# KiCad board main.kicad_pcb (continued)
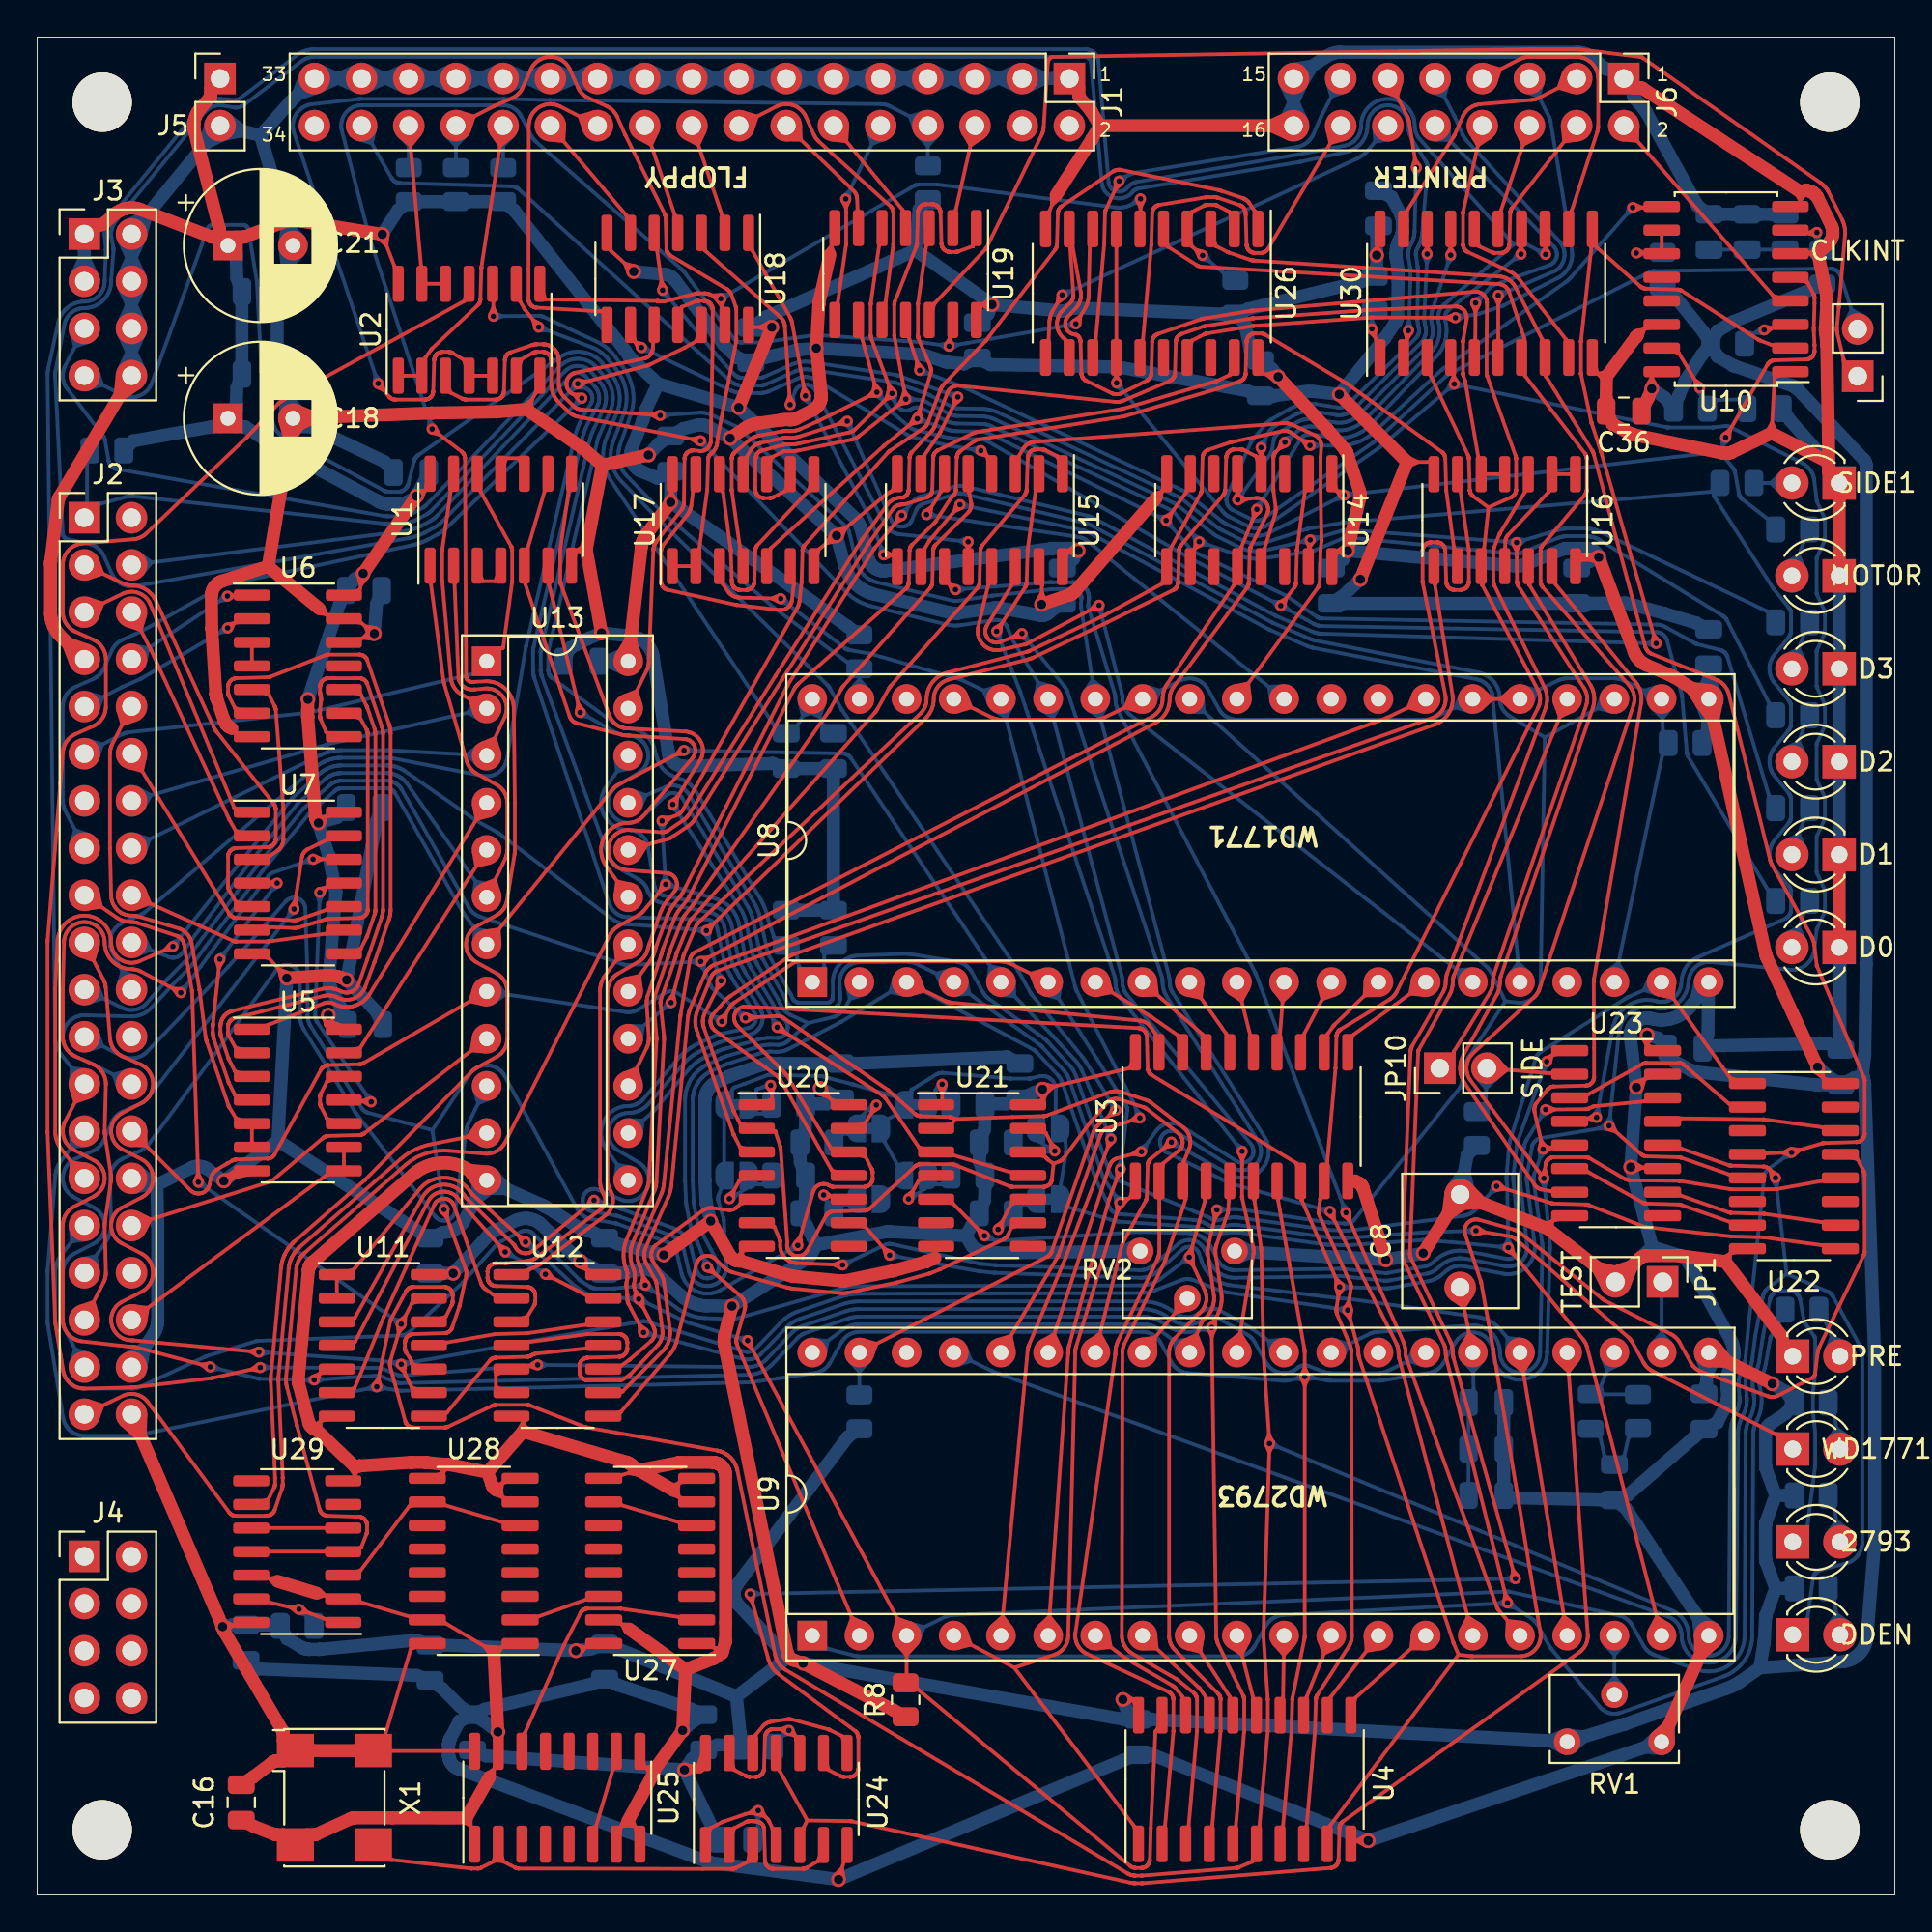
[diagram p0: board, top side]
## Routing (per net, layer and track width the routed paths; a pad name or vN(x,y) marks a point on that pad's centre or on a via; arc(x,y) is an arc through that point) (continued)
  Bottom w0.2: 79.57,72.99 79.16,72.83 79.54,72.62 ; R30.1 93.12,69.09 93.12,69.1 84.17,73.36 84.12,73.38 84.08,73.4 84.03,73.42 83.99,73.44 83.95,73.45 83.9,73.47 83.86,73.48 83.81,73.49 83.76,73.5 83.72,73.51 83.67,73.52 83.63,73.53 83.58,73.54 83.54,73.54 83.49,73.55 83.46,73.55 83.43,73.55 83.4,73.55 83.37,73.55 83.34,73.55 82.39,73.55 82.37,73.55 82.34,73.55 82.31,73.55 82.28,73.55 82.22,73.54 82.2,73.54 82.16,73.54 82.11,73.53 82.07,73.52 82.02,73.51 81.98,73.5 81.93,73.49 81.87,73.48 81.84,73.47 v2(79.64,72.8) 70.62,73.47 70.57,73.47 70.53,73.47 70.49,73.47 70.44,73.47 70.4,73.46 70.35,73.46 70.31,73.45 70.27,73.44 70.22,73.43 v2(68.53,72.94) 66.16,72.39 66.06,72.37 65.95,72.35 65.84,72.34 65.73,72.33 65.62,72.33 65.51,72.34 65.4,72.35 65.29,72.36 65.18,72.38 65.07,72.41 64.96,72.44 64.86,72.48 64.76,72.52 64.66,72.57 63.63,73.07 63.57,73.11 63.51,73.14 63.45,73.17 63.39,73.21 63.33,73.25 63.28,73.29 63.22,73.33 61.41,74.78 61.38,74.8 61.36,74.82 61.33,74.84 61.3,74.86 61.27,74.88 61.24,74.89 61.21,74.91 51.58,79.41 51.51,79.45 51.43,79.47 51.36,79.5 51.29,79.52 51.21,79.54 51.14,79.56 51.06,79.57 50.98,79.58 50.91,79.58 50.83,79.59 49.54,79.61 49.5,79.61 49.45,79.62 49.4,79.62 49.36,79.63 49.31,79.64 49.27,79.65 49.22,79.67 49.18,79.68 49.14,79.7 49.09,79.72 47.84,80.37 47.81,80.39 47.77,80.4 47.73,80.42 47.69,80.43 47.64,80.45 47.6,80.46 47.56,80.46 47.52,80.47 47.47,80.48 47.43,80.48 v2(46.76,80.52) ; 68.66,72.79 68.99,73.07 68.56,73.14 ; 68.49,72.74 68.06,72.83 68.4,73.1 ; 46.85,80.69 47.24,80.49 46.83,80.33 ; 79.66,73 80.09,72.94 79.77,72.65
DFH: length 85.8
  Top w0.2: 78.59,37.95 79.03,38 78.7,38.29 ; 97.06,34.78 96.07,34.97 92.98,35.39 92.93,35.39 92.92,35.39 91.21,35.44 91.19,35.44 91.15,35.45 86.59,35.95 86.56,35.95 86.54,35.96 86.51,35.97 86.49,35.97 83.51,37.14 83.49,37.14 83.45,37.16 83.42,37.16 83.37,37.17 83.36,37.17 81.64,37.21 81.62,37.22 81.59,37.22 81.56,37.22 81.54,37.23 81.51,37.24 v2(78.57,38.14)
  Bottom w0.2: 32.05,59.45 32.77,59.19 32.45,58.49 ; v2(78.57,38.14) 77.46,36.92 77.42,36.88 77.38,36.84 77.33,36.8 77.29,36.76 77.24,36.73 77.19,36.7 77.14,36.67 77.08,36.65 77.03,36.62 76.98,36.6 76.92,36.58 76.86,36.57 76.81,36.56 76.75,36.55 70.58,35.75 70.55,35.75 70.52,35.75 70.49,35.75 70.46,35.75 70.43,35.75 70.4,35.75 70.32,35.75 70.27,35.76 69.54,35.79 69.51,35.8 69.47,35.8 69.46,35.8 64.7,36.45 64.63,36.46 64.55,36.47 64.48,36.47 64.4,36.47 64.33,36.47 64.25,36.46 64.18,36.45 64.1,36.44 64.03,36.42 63.64,36.33 63.61,36.32 63.58,36.32 63.55,36.31 63.52,36.31 63.5,36.31 63.47,36.31 63.44,36.31 63.41,36.32 63.38,36.32 63.36,36.33 63.33,36.34 63.3,36.35 63.27,36.36 63.25,36.37 63.22,36.39 63.2,36.4 63.16,36.42 63.11,36.45 63.06,36.47 63.01,36.49 62.97,36.52 62.92,36.54 58.08,38.5 58.05,38.51 58.02,38.53 57.99,38.54 57.97,38.56 57.94,38.58 57.91,38.6 57.89,38.62 57.87,38.65 57.85,38.67 57.83,38.7 57.81,38.72 57.79,38.75 57.77,38.78 57.76,38.81 57.75,38.84 57.73,38.87 55.95,44 55.92,44.08 55.89,44.15 55.86,44.23 55.82,44.3 55.78,44.37 55.74,44.43 55.69,44.5 55.65,44.56 55.6,44.62 55.54,44.68 54.4,45.93 54.36,45.96 54.33,45.99 54.31,46.01 54.29,46.03 54.27,46.05 54.24,46.07 54.22,46.09 54.19,46.11 51.24,48.23 51.2,48.26 51.16,48.29 51.12,48.33 51.09,48.36 51.05,48.4 51.02,48.43 50.99,48.47 50.96,48.51 50.94,48.55 50.91,48.59 50.31,49.67 50.28,49.72 50.25,49.77 50.21,49.82 50.18,49.87 50.14,49.91 50.09,49.95 50.05,49.99 50,50.02 49.96,50.06 49.91,50.09 49.85,50.12 49.8,50.14 49.75,50.17 49.69,50.19 49.64,50.2 49.58,50.22 49.52,50.23 47.05,50.63 47,50.64 46.95,50.65 46.9,50.65 46.85,50.65 46.8,50.65 46.75,50.65 44.21,50.57 44.13,50.56 44.05,50.55 43.97,50.54 43.89,50.52 43.81,50.5 43.73,50.47 43.66,50.44 43.59,50.4 43.51,50.36 43.45,50.31 43.38,50.26 43.32,50.21 43.26,50.16 43.2,50.1 43.15,50.04 43.1,49.97 43.05,49.9 43.01,49.83 42.97,49.76 42.94,49.68 42.91,49.61 42.88,49.53 42.86,49.45 42.85,49.37 42.84,49.29 42.83,49.21 42.83,49.12 42.83,48.43 42.83,48.33 42.83,48.32 42.83,48.3 42.83,48.28 42.82,48.26 42.82,48.25 42.81,48.23 42.81,48.21 42.8,48.19 42.79,48.18 42.78,48.16 42.77,48.15 42.76,48.13 42.75,48.12 42.73,48.11 42.72,48.1 42.71,48.09 42.69,48.07 42.68,48.07 42.66,48.06 42.64,48.05 42.63,48.04 42.61,48.04 42.59,48.03 42.58,48.03 42.56,48.03 42.54,48.02 42.52,48.02 41.02,48.02 41,48.03 40.97,48.03 40.94,48.03 40.92,48.04 40.89,48.05 40.88,48.06 40.8,48.1 40.78,48.11 40.76,48.13 40.74,48.15 40.72,48.17 40.7,48.19 40.69,48.21 40.68,48.23 40.65,48.31 40.62,48.37 40.59,48.43 40.56,48.49 40.52,48.55 39.38,50.59 39.37,50.61 39.35,50.65 39.34,50.68 39.32,50.74 39.32,50.75 38.94,52.5 38.93,52.53 38.91,52.65 38.87,52.76 38.84,52.88 38.79,53 38.74,53.11 38.69,53.22 38.64,53.33 38.57,53.44 35.09,59.22 35.06,59.27 35.03,59.32 34.99,59.36 34.95,59.41 34.91,59.45 34.86,59.49 34.82,59.52 34.77,59.56 34.72,59.59 34.67,59.61 34.61,59.64 34.56,59.66 34.5,59.68 34.45,59.69 34.39,59.7 34.33,59.71 34.27,59.72 34.22,59.72 34.16,59.72 34.1,59.71 34.04,59.7 33.98,59.69 33.93,59.68 33.87,59.66 33.82,59.64 U13.21 ; 78.65,37.96 78.25,37.79 78.38,38.2
DFL: length 83.5
  Top w0.2: v2(85.89,90.83) 86.46,90.83 86.56,90.83 U10.9 ; 85.97,91.01 86.37,90.83 85.97,90.65 ; 68.35,77.92 68.12,78.29 68.55,78.22 ; 34.32,48.07 34.24,48.5 33.97,48.16 ; v2(34.12,48.03) 34.75,50.39 34.76,50.45 34.78,50.5 34.78,50.52 34.79,50.55 34.8,50.57 34.81,50.6 34.82,50.62 35.46,52.14 35.47,52.17 35.49,52.19 35.5,52.21 35.51,52.23 35.53,52.25 35.54,52.27 35.56,52.29 35.57,52.31 35.59,52.33 35.61,52.35 47.54,63.59 47.58,63.63 47.62,63.67 47.65,63.71 47.69,63.75 47.72,63.8 47.74,63.85 47.77,63.9 47.79,63.95 47.81,64 47.83,64.05 47.85,64.1 47.86,64.16 47.87,64.21 47.88,64.26 47.88,64.32 47.88,64.37 47.88,64.46 47.89,64.54 47.9,64.62 47.92,64.7 47.94,64.79 47.97,64.87 48,64.94 48.03,65.02 48.07,65.09 48.11,65.16 48.16,65.23 48.21,65.3 48.27,65.36 48.33,65.42 48.39,65.48 48.45,65.53 48.52,65.58 48.59,65.62 48.66,65.67 48.74,65.7 48.81,65.74 48.89,65.76 48.97,65.79 53.27,66.91 53.3,66.92 53.33,66.93 53.36,66.94 53.39,66.95 53.42,66.96 53.45,66.98 57.43,68.87 57.46,68.88 60.53,70.56 60.53,70.56 U14.9 61.02,72.49 62.63,75.43 62.64,75.44 62.65,75.48 62.66,75.5 62.67,75.52 62.68,75.55 62.68,75.58 62.68,75.6 62.69,75.64 62.73,77.36 62.74,77.4 62.74,77.43 62.75,77.46 62.76,77.49 62.77,77.52 62.78,77.56 62.8,77.58 62.81,77.6 62.83,77.63 62.85,77.65 62.87,77.68 62.89,77.7 62.91,77.71 62.95,77.74 62.97,77.75 63.01,77.77 ; v2(68.52,78.02) 67.51,78.7 67.48,78.72 67.45,78.73 67.43,78.75 67.4,78.76 67.37,78.77 67.34,78.78 67.31,78.79 67.28,78.79 67.25,78.8 67.22,78.8 67.19,78.81 67.16,78.81 67.13,78.8 67.1,78.8 67.07,78.8 67.04,78.79 64.29,78.2 64.25,78.19 64.22,78.18 64.19,78.18 63.04,77.79 63.01,77.77
  Bottom w0.2: 85.97,90.65 85.57,90.47 85.69,90.89 ; v2(68.52,78.02) 70.07,78.01 70.21,78.01 70.35,78.02 70.49,78.04 70.62,78.06 70.76,78.09 70.89,78.13 71.02,78.17 71.15,78.22 71.28,78.28 71.4,78.34 71.52,78.41 71.64,78.48 71.75,78.56 71.86,78.65 71.96,78.74 75.59,82.08 75.61,82.1 75.63,82.11 75.65,82.13 75.67,82.15 75.69,82.16 82.26,86.8 82.31,86.84 82.36,86.88 82.41,86.91 82.45,86.96 82.5,87 82.54,87.04 82.58,87.09 v2(85.89,90.83) ; 68.6,77.84 69,78.02 68.6,78.2 ; 31.84,46.79 32.61,46.76 32.51,45.99 ; U13.16 v2(34.12,48.03) ; 34.18,47.84 33.76,47.72 33.94,48.12
EFX: length 15.1
  Top w0.2: U5.13 17.4,45.61 17.4,45.61 U13.5 ; 23.51,56.13 23.64,55.37 24.38,55.57
F_A0: length 128.1
  Top w0.2: v2(57.81,40.69) 55.36,34.3 55.35,34.27 53.4,29.62 53.38,29.59 53.37,29.55 53.36,29.51 53.35,29.46 53.34,29.42 53.33,29.38 53.32,29.34 53.32,29.3 U9.5 ; 51.41,14.47 51.98,14.99 52.44,14.38 ; 34.83,61.41 34.39,61.38 34.66,61.73 ; 24.89,51.21 24.85,51.97 24.09,51.86 ; U13.7 30.95,59.49 30.98,59.52 31.01,59.55 31.05,59.59 31.08,59.62 31.11,59.65 31.15,59.67 31.19,59.7 31.22,59.73 31.26,59.75 31.3,59.77 v2(34.82,61.61) ; 57.61,40.68 57.64,40.24 57.95,40.55
  Bottom w0.2: 43.35,61.44 43.37,61.44 43.42,61.43 43.45,61.43 43.46,61.43 43.52,61.41 43.54,61.4 43.56,61.4 43.6,61.37 43.63,61.36 43.64,61.35 43.69,61.32 43.71,61.3 43.72,61.29 43.76,61.25 43.78,61.23 43.79,61.22 43.81,61.18 U8.5 54.68,46.23 ; 51.19,49.24 51.3,50 52.05,49.81 ; v2(57.81,40.69) 56.28,44.29 56.24,44.37 56.2,44.45 56.16,44.53 56.12,44.61 56.07,44.68 56.02,44.75 55.96,44.83 55.9,44.9 55.84,44.96 54.7,46.21 54.68,46.23 ; 52.58,49.15 52.6,48.38 51.84,48.44 ; 4.37,43.4 4.11,44.15 4.87,44.37 ; J2.26 3.07,44.68 3.04,44.7 3.01,44.71 2.07,45.13 2,45.16 1.94,45.2 1.88,45.23 1.83,45.28 1.77,45.32 1.72,45.37 1.67,45.42 1.63,45.48 1.58,45.53 1.55,45.59 1.51,45.65 1.48,45.72 1.45,45.78 1.43,45.85 1.41,45.92 1.4,45.99 1.39,46.06 1.38,46.13 1.38,46.2 1.38,46.27 1.39,46.34 1.4,46.41 1.42,46.48 1.44,46.55 1.46,46.61 1.49,46.68 1.52,46.74 1.56,46.8 1.6,46.86 1.64,46.92 1.68,46.97 1.73,47.02 1.79,47.07 1.84,47.12 1.9,47.16 1.96,47.19 2.02,47.23 2.09,47.26 2.15,47.28 2.22,47.3 2.29,47.32 2.36,47.34 2.43,47.34 2.5,47.35 2.57,47.35 5.04,47.29 5.12,47.29 5.2,47.29 5.27,47.3 5.35,47.31 5.42,47.33 5.5,47.35 5.57,47.37 5.64,47.4 5.71,47.43 5.78,47.47 5.84,47.5 5.91,47.55 5.97,47.59 6.03,47.64 6.08,47.69 6.14,47.75 7.28,48.98 7.3,48.99 8.33,50.05 8.36,50.08 8.38,50.11 8.41,50.13 8.43,50.16 8.45,50.19 8.47,50.22 9,50.96 9.02,50.98 12.11,55.08 12.13,55.11 14.59,58.15 ; 57.61,40.7 57.62,41.13 57.94,40.84 ; 14.59,58.15 14.61,58.16 14.63,58.19 14.64,58.2 14.67,58.23 16.02,59.43 16.05,59.45 16.1,59.48 16.12,59.5 16.13,59.51 16.18,59.53 16.21,59.54 16.23,59.54 16.28,59.56 16.3,59.56 16.32,59.56 16.38,59.57 16.39,59.57 18.79,59.57 18.82,59.57 18.87,59.56 18.9,59.56 18.92,59.55 18.97,59.54 18.99,59.53 19.01,59.52 19.06,59.5 19.08,59.49 19.09,59.48 19.14,59.45 19.16,59.43 19.17,59.42 19.21,59.38 19.23,59.36 19.24,59.35 19.27,59.3 19.28,59.29 22.87,52.96 22.89,52.92 22.91,52.89 22.93,52.86 22.96,52.83 22.98,52.8 U13.7 ; 43.35,61.44 v2(34.82,61.61) ; 24.33,51.85 23.57,52 23.5,51.23 ; 34.91,61.79 35.3,61.6 34.9,61.42
F_A1: length 107.5
  Top w0.2: 54.22,49.81 53.49,49.59 53.77,48.87 ; U8.6 52.37,50.13 52.32,50.15 52.28,50.17 52.23,50.19 52.18,50.2 52.13,50.22 52.08,50.23 52.03,50.23 51.98,50.24 51.93,50.24 51.88,50.24 40.92,50.24 40.91,50.24 40.89,50.24 40.88,50.24 40.86,50.24 40.85,50.23 40.83,50.23 40.82,50.23 40.8,50.22 40.79,50.21 40.78,50.21 40.76,50.2 40.75,50.19 37.56,48.05 37.52,48.03 37.49,48 37.45,47.97 37.42,47.94 37.39,47.91 37.36,47.88 37.33,47.85 37.31,47.81 37.28,47.77 37.26,47.74 37.23,47.7 v2(36.86,47.01) ; 58.45,38.92 58.14,38.62 58.11,39.05 ; 53.94,14.46 54.5,14.99 54.97,14.39 ; 12.76,39.82 12.74,39.8 12.72,39.78 12.7,39.75 12.68,39.74 12.66,39.72 12.63,39.7 12.61,39.69 12.59,39.68 12.56,39.67 12.54,39.66 12.52,39.65 12.48,39.64 12.46,39.64 12.44,39.64 12.4,39.63 10.73,39.58 10.68,39.58 10.66,39.58 10.63,39.57 10.6,39.56 10.57,39.55 10.52,39.53 10.51,39.53 10.27,39.39 10.24,39.38 9.68,39.04 9.65,39.02 9.62,39 9.59,38.98 9.57,38.95 9.54,38.93 9.52,38.9 9.49,38.88 9.47,38.85 9.45,38.82 9.43,38.79 9.42,38.76 9.4,38.73 9.39,38.69 9.38,38.66 9.36,38.63 9.36,38.59 9.27,38.23 9.26,38.19 9.25,38.15 9.24,38.12 9.22,38.09 9.2,38.05 9.18,38.02 9.16,37.99 9.14,37.96 9.11,37.94 9.09,37.91 9.06,37.89 9.03,37.86 9,37.84 8.97,37.82 8.93,37.81 8.9,37.79 8.86,37.78 8.83,37.77 8.79,37.76 8.76,37.76 8.72,37.75 8.68,37.75 8.64,37.75 8.61,37.76 8.57,37.76 8.53,37.77 8.5,37.78 8.46,37.79 8.43,37.81 8.39,37.82 8.36,37.84 8.33,37.86 8.3,37.88 8.27,37.91 8.25,37.93 J2.28 ; 36.74,47.17 37.09,47.43 37.06,47 ; 24.05,47.94 23.3,48.1 23.53,48.84 ; 5.83,41.13 5.85,40.34 5.06,40.36 ; v2(58.31,39.07) 57.72,37.47 57.7,37.44 57.7,37.42 55.55,29.58 55.54,29.53 55.53,29.49 55.52,29.44 55.51,29.39 55.51,29.34 55.51,29.29 55.5,29.24 55.5,29.16 55.5,29.13 55.5,29.12 U9.6 ; U13.8 17.57,44.78 17.54,44.76 17.51,44.75 17.49,44.74 17.47,44.73 17.43,44.72 17.41,44.72 17.39,44.72 17.35,44.71 15.68,44.66 15.63,44.66 15.61,44.66 15.58,44.65 15.55,44.64 15.52,44.63 15.48,44.61 15.46,44.6 15.43,44.59 15.4,44.57 15.38,44.55 15.36,44.53 15.34,44.51 15.32,44.49 15.3,44.45 15.28,44.43 12.79,39.87 12.77,39.85 12.76,39.82
  Bottom w0.2: 55.11,49.01 54.98,48.26 54.24,48.46 ; v2(58.31,39.07) 58.67,42.17 58.68,42.2 58.68,42.23 58.68,42.26 58.68,42.29 58.67,42.32 58.67,42.35 58.66,42.38 58.66,42.41 58.65,42.44 58.64,42.47 58.63,42.49 58.61,42.52 58.6,42.55 58.58,42.57 U8.6 ; 24.59,48.05 25.22,48.47 24.74,49.07 ; 36.69,46.91 36.45,47.27 36.88,47.21 ; 58.5,39.13 58.37,39.54 58.14,39.17 ; U13.8 31.65,47.53 31.71,47.52 31.76,47.52 31.82,47.52 31.88,47.52 31.93,47.52 31.99,47.53 32.04,47.54 32.1,47.55 32.15,47.57 32.2,47.58 32.25,47.61 32.3,47.63 32.35,47.65 32.4,47.68 33.8,48.55 33.83,48.57 33.86,48.58 33.89,48.6 33.92,48.61 33.96,48.62 33.99,48.63 34.02,48.63 34.06,48.64 34.09,48.64 34.13,48.64 34.16,48.64 34.19,48.64 34.23,48.63 34.26,48.63 34.29,48.62 34.33,48.61 34.36,48.59 34.39,48.58 34.42,48.56 34.45,48.55 v2(36.86,47.01)
F_A2: length 43.5
  Top w0.2: U13.11 21.2,40.41 21.03,40.37 20.87,40.32 20.71,40.27 20.55,40.21 20.4,40.14 20.25,40.07 20.1,39.99 19.96,39.9 19.82,39.81 19.68,39.7 19.55,39.6 14.14,34.88 14.12,34.86 14.1,34.85 14.08,34.83 14.03,34.78 14,34.75 13.97,34.71 13.94,34.68 13.92,34.65 13.89,34.61 13.85,34.55 13.81,34.5 13.79,34.47 13.77,34.43 13.74,34.39 13.72,34.35 13.69,34.28 13.69,34.27 13.67,34.23 13.65,34.19 13.63,34.14 13.62,34.1 13.6,34.05 13.59,34.01 13.58,33.98 13.57,33.94 13.56,33.89 13.56,33.85 13.55,33.8 13.54,33.76 13.54,33.71 12.99,27.9 12.99,27.85 12.99,27.81 12.98,27.76 12.98,27.72 12.98,27.67 12.99,27.63 13.22,22.47 13.22,22.44 13.22,22.14 13.22,22.1 13.22,22.07 13.21,22.03 13.21,22.01 13.21,21.98 13.2,21.96 13.2,21.94 13.18,21.89 13.17,21.85 12.78,20.71 12.77,20.68 12.76,20.65 12.74,20.63 12.73,20.61 12.72,20.59 ; 3.24,25.6 3.52,26.34 2.77,26.58 ; 12.72,20.59 12.7,20.57 12.68,20.55 12.66,20.53 12.64,20.51 12.62,20.5 12.6,20.48 12.57,20.46 12.56,20.45 12.52,20.44 12.5,20.43 12.48,20.42 12.45,20.42 12.42,20.41 12.4,20.41 12.36,20.41 12.35,20.41 10.7,20.41 10.67,20.41 10.64,20.41 10.61,20.41 10.59,20.42 10.56,20.43 10.53,20.44 10.52,20.44 10.49,20.46 10.46,20.47 10.45,20.48 10.42,20.5 10.4,20.52 10.38,20.53 10.35,20.56 10.34,20.59 5.96,26.52 5.92,26.57 5.88,26.62 5.84,26.66 5.79,26.7 5.74,26.74 5.69,26.78 5.64,26.81 5.58,26.85 5.52,26.87 5.47,26.9 5.41,26.92 5.35,26.93 5.28,26.95 5.22,26.96 5.16,26.96 5.1,26.97 5.03,26.97 4.97,26.96 4.91,26.95 4.84,26.94 4.78,26.93 4.72,26.91 4.66,26.88 4.61,26.86 J2.39 ; 23.84,40.41 23.18,40.8 23.63,41.42
F_A3: length 48.5
  Bottom w0.2: 3.28,33.61 3.16,34.39 2.39,34.22 ; U13.10 23.2,41.49 23.18,41.45 23.16,41.41 23.15,41.37 23.13,41.33 23.12,41.29 23.11,41.24 23.1,41.2 23.1,41.16 22.5,36.82 22.5,36.79 22.49,36.75 22.48,36.71 22.47,36.68 22.45,36.65 22.43,36.61 22.42,36.58 22.4,36.55 22.37,36.52 22.35,36.49 22.32,36.47 22.3,36.44 22.27,36.42 22.24,36.4 22.21,36.38 22.17,36.36 22.14,36.34 22.11,36.33 22.07,36.32 22.04,36.31 22,36.3 21.96,36.3 21.93,36.29 21.89,36.29 21.85,36.3 21.82,36.3 21.78,36.31 21.75,36.31 21.71,36.32 21.68,36.34 21.64,36.35 21.61,36.37 21.58,36.39 21.55,36.41 21.52,36.43 21.49,36.45 21.46,36.48 21.44,36.5 21.41,36.53 17.17,42.06 17.15,42.1 17.13,42.13 17.12,42.15 14.38,46.54 14.34,46.61 14.31,46.67 14.28,46.73 14.25,46.8 14.23,46.87 14.2,46.93 14.19,47 14.17,47.07 14.16,47.14 14.15,47.21 14.15,47.28 14.15,47.36 14.15,49.35 14.15,49.39 14.14,49.43 14.14,49.48 14.13,49.52 14.12,49.56 14.1,49.6 14.08,49.64 14.07,49.68 14.04,49.72 14.02,49.76 13.99,49.79 13.97,49.82 13.94,49.86 13.9,49.89 13.87,49.91 13.84,49.94 13.8,49.96 13.76,49.98 13.72,50 13.68,50.02 13.64,50.03 13.6,50.04 13.55,50.05 13.51,50.06 13.47,50.06 13.42,50.06 13.38,50.06 13.34,50.05 13.3,50.04 13.25,50.03 13.21,50.02 13.17,50.01 13.13,49.99 13.09,49.97 13.05,49.95 13.02,49.92 12.98,49.9 12.95,49.87 12.92,49.84 12.89,49.8 12.87,49.77 ; J2.33 3.73,35.21 3.77,35.27 3.8,35.33 3.83,35.39 3.86,35.45 3.89,35.52 3.91,35.58 3.93,35.65 3.95,35.72 3.96,35.79 3.97,35.86 3.98,35.93 3.98,36 3.98,36.07 3.92,38.54 3.92,38.61 3.92,38.67 3.93,38.74 3.94,38.8 3.96,38.86 3.98,38.93 4,38.99 4.02,39.05 4.05,39.1 4.08,39.16 4.12,39.22 4.15,39.27 4.2,39.32 4.24,39.37 4.28,39.41 4.33,39.46 4.38,39.5 4.44,39.54 4.49,39.57 4.55,39.6 4.61,39.63 5.55,40.05 5.6,40.07 5.65,40.1 5.7,40.13 5.74,40.16 5.79,40.19 5.83,40.22 5.87,40.26 5.91,40.3 5.95,40.34 5.98,40.38 6.02,40.42 12.87,49.77 ; 24.46,42.9 23.74,42.61 23.52,43.35
F_A4: length 25.2
  Top w0.2: 23.51,46.21 23.37,45.45 24.14,45.39 ; J2.32 12.53,38.39 12.55,38.39 12.6,38.42 12.62,38.43 12.64,38.44 12.67,38.46 12.68,38.47 15.39,40.75 15.41,40.76 15.44,40.78 15.46,40.8 15.5,40.82 ; 15.5,40.82 15.53,40.83 15.55,40.84 15.59,40.84 15.61,40.85 15.67,40.85 15.68,40.85 17.35,40.9 17.36,40.9 17.4,40.91 17.42,40.91 17.44,40.92 17.48,40.93 17.5,40.93 17.52,40.94 17.55,40.96 17.57,40.97 17.59,40.98 17.62,41 U13.9 ; 5.74,35.67 6.12,36.36 5.41,36.7
F_A5: length 16.9
  Top w0.2: 5.82,30.82 5.95,31.6 5.17,31.69 ; U5.9 U5.8 15.56,38.74 J2.36
F_A6: length 40.9
  Top w0.2: U7.13 15.56,56.77 15.56,56.77 14.59,56.3 14.56,56.28 14.53,56.27 14.5,56.25 14.48,56.23 14.45,56.21 14.43,56.18 14.4,56.16 14.38,56.14 14.36,56.11 14.34,56.08 14.33,56.06 14.31,56.03 14.3,56 14.28,55.97 14.27,55.94 14.26,55.9 14.26,55.87 14.25,55.84 v2(13.83,53.06) ; 13.66,53.17 13.9,53.54 14.02,53.12
  Bottom w0.2: J2.37 1.51,30.42 1.49,30.47 1.47,30.51 1.45,30.56 1.43,30.61 1.42,30.65 1.41,30.7 1.4,30.75 1.39,30.8 1.38,30.85 1.38,30.9 1.38,30.95 1.38,33.49 1.38,33.55 1.39,33.62 1.4,33.68 1.41,33.74 1.42,33.8 1.44,33.86 1.46,33.92 1.49,33.98 1.52,34.04 1.55,34.09 1.58,34.15 1.62,34.2 1.66,34.25 1.7,34.29 1.75,34.34 1.8,34.38 1.85,34.42 1.9,34.46 1.95,34.49 2.01,34.52 3.04,35.06 3.1,35.09 3.16,35.12 3.21,35.16 3.26,35.21 3.31,35.25 3.36,35.3 3.4,35.35 3.44,35.4 3.48,35.46 3.51,35.52 3.54,35.58 3.56,35.64 3.59,35.7 3.6,35.77 3.62,35.83 3.63,35.9 3.63,35.96 3.64,36.03 3.63,36.1 3.63,36.16 3.62,36.23 3.6,36.29 3.59,36.36 3.56,36.42 3.54,36.48 3.51,36.54 3.48,36.6 3.44,36.66 3.4,36.71 3.36,36.76 3.31,36.81 3.26,36.85 3.21,36.9 3.16,36.94 3.1,36.97 3.04,37 2.01,37.54 1.95,37.57 1.89,37.61 1.83,37.65 1.78,37.7 1.72,37.75 1.68,37.8 1.63,37.85 1.59,37.91 1.55,37.97 1.51,38.03 1.48,38.09 1.46,38.16 1.43,38.22 1.41,38.29 1.4,38.36 1.39,38.43 1.38,38.5 1.38,38.57 1.38,38.64 1.39,38.71 1.4,38.78 1.41,38.85 1.43,38.91 1.46,38.98 1.48,39.05 1.51,39.11 1.55,39.17 1.59,39.23 1.63,39.29 1.67,39.34 1.72,39.39 1.77,39.44 1.83,39.49 1.88,39.53 1.94,39.56 2,39.6 2.07,39.63 3.01,40.05 3.07,40.08 3.12,40.11 3.17,40.14 3.22,40.17 3.27,40.21 3.32,40.25 3.36,40.29 3.4,40.33 3.44,40.38 3.48,40.43 3.51,40.48 3.54,40.53 3.57,40.58 3.6,40.64 4.02,41.58 4.05,41.64 4.08,41.69 4.11,41.74 4.14,41.79 4.18,41.84 4.22,41.89 4.26,41.93 4.3,41.97 4.35,42.01 4.4,42.05 4.45,42.08 4.5,42.11 4.55,42.14 4.61,42.17 5.55,42.59 5.6,42.61 5.65,42.64 5.69,42.66 5.73,42.69 5.78,42.72 5.82,42.75 5.86,42.79 5.89,42.82 5.93,42.86 5.96,42.9 6,42.94 v2(13.83,53.06) ; 13.92,52.89 13.53,52.68 13.63,53.11 ; 1.82,28.62 2.04,29.38 2.79,29.12
F_A7: length 47.6
  Top w0.2: 14.94,55.57 15.33,55.75 14.94,55.93 ; U7.12 15.64,55.75 v2(14.85,55.75) ; v2(7.73,48.56) 5.59,49.7 5.55,49.72 5.51,49.74 5.46,49.76 5.41,49.77 5.37,49.79 5.32,49.8 5.27,49.81 5.23,49.82 5.18,49.82 5.13,49.83 5.08,49.83 5,49.83 4.91,49.84 4.83,49.85 4.75,49.87 4.67,49.89 4.59,49.91 4.51,49.94 4.43,49.98 4.36,50.02 4.29,50.06 4.22,50.11 4.15,50.16 4.09,50.22 4.03,50.28 3.97,50.34 3.92,50.41 3.87,50.48 3.83,50.55 3.79,50.62 3.75,50.7 3.72,50.78 3.7,50.86 3.68,50.94 3.66,51.02 3.65,51.1 3.64,51.19 3.64,51.27 3.63,51.34 3.63,51.41 3.62,51.47 3.6,51.54 3.58,51.61 3.56,51.67 3.53,51.73 3.5,51.79 3.47,51.85 3.43,51.91 3.39,51.96 3.34,52.02 3.3,52.06 3.24,52.11 3.19,52.15 3.14,52.19 3.08,52.23 3.02,52.26 2.95,52.29 2.89,52.31 2.82,52.33 2.76,52.34 2.69,52.36 2.62,52.36 2.55,52.37 2.49,52.37 2.42,52.36 2.35,52.35 2.28,52.34 2.22,52.32 2.15,52.3 2.09,52.27 2.03,52.24 1.97,52.21 1.91,52.17 1.86,52.13 1.8,52.08 1.75,52.04 1.71,51.99 1.67,51.93 1.63,51.88 1.59,51.82 1.56,51.76 1.53,51.7 1.5,51.63 1.48,51.57 1.47,51.5 1.46,51.43 1.45,51.37 1.44,51.3 1.38,48.76 1.38,48.73 1.38,46.19 1.38,46.13 1.39,46.06 1.4,46 1.41,45.94 1.42,45.88 1.44,45.82 1.46,45.76 1.49,45.7 1.52,45.64 1.55,45.59 1.58,45.53 1.62,45.48 1.66,45.43 1.71,45.38 1.75,45.34 1.8,45.3 1.85,45.26 1.9,45.22 1.95,45.19 2.01,45.16 2.07,45.13 3.01,44.71 3.07,44.68 3.13,44.65 3.18,44.62 3.24,44.58 3.29,44.54 3.34,44.49 3.38,44.45 3.42,44.4 3.47,44.35 3.5,44.3 3.54,44.24 3.57,44.18 3.6,44.13 3.62,44.07 3.64,44.01 3.66,43.94 3.68,43.88 3.69,43.82 3.7,43.75 3.7,43.69 3.7,43.62 3.64,41.15 3.64,41.1 3.64,41.06 3.64,41.02 3.64,40.98 3.65,40.94 3.65,40.9 3.97,38.78 3.97,38.73 3.98,38.68 3.98,38.62 3.98,38.57 3.98,38.52 3.98,38.46 3.97,38.41 3.97,38.36 3.65,36.24 3.65,36.2 3.64,36.16 3.64,36.12 3.64,36.08 3.64,36.04 3.64,35.99 3.7,33.52 3.7,33.47 3.7,33.41 3.69,33.36 3.69,33.31 3.68,33.26 3.66,33.21 3.65,33.16 3.63,33.11 3.62,33.06 3.59,33.01 3.57,32.96 J2.35 ; 3.26,31.16 3.04,31.92 2.29,31.66 ; 7.74,48.76 7.31,48.79 7.57,48.44
  Bottom w0.2: 14.83,55.55 14.4,55.6 14.72,55.89 ; 7.64,48.74 8.02,48.95 7.93,48.52 ; v2(7.73,48.56) 8.78,49.94 8.81,49.98 9.34,50.72 9.35,50.73 12.43,54.83 12.45,54.86 12.47,54.88 12.49,54.9 12.51,54.92 12.53,54.94 12.55,54.95 12.58,54.97 12.6,54.99 12.62,55 12.65,55.01 12.68,55.02 12.7,55.04 12.73,55.05 v2(14.85,55.75)
F_A8: length 18
  Top w0.2: J2.12 10.34,52.81 10.37,52.77 10.38,52.75 10.4,52.73 10.43,52.71 10.45,52.69 10.46,52.68 10.49,52.66 10.51,52.64 10.53,52.64 10.56,52.62 10.59,52.61 10.6,52.61 10.64,52.6 10.66,52.59 10.68,52.59 10.73,52.59 12.4,52.54 12.4,52.54 13.79,52.46 13.82,52.45 13.84,52.45 13.87,52.46 13.9,52.46 13.92,52.46 13.95,52.47 13.97,52.47 14,52.48 14.03,52.49 15.54,53.01 U7.10 ; 4.88,60.71 5.65,60.5 5.81,61.27
F_A9: length 13.6
  Top w0.2: 5.33,53.1 6.07,53.36 5.77,54.1 ; U7.9 15.54,51.74 15.54,51.74 12.45,51.32 12.4,51.32 12.39,51.32 10.74,51.32 10.71,51.32 10.67,51.32 10.65,51.33 10.63,51.33 10.6,51.34 10.57,51.35 10.56,51.35 J2.18
F_A10: length 27.2
  Top w0.2: 2.77,70.88 3.52,71.12 3.24,71.86 ; 12.76,56.58 12.74,56.56 12.72,56.54 12.7,56.52 12.68,56.5 12.66,56.49 12.63,56.47 12.61,56.45 12.59,56.45 12.56,56.43 12.54,56.42 12.52,56.42 12.48,56.41 12.46,56.4 12.44,56.4 12.4,56.4 10.73,56.35 10.68,56.35 10.66,56.34 10.63,56.34 10.6,56.33 10.57,56.32 10.53,56.3 10.51,56.29 10.48,56.27 10.45,56.25 10.43,56.24 10.41,56.21 10.39,56.19 10.37,56.17 10.35,56.13 10.33,56.11 10.31,56.07 10.3,56.05 10.29,56.02 10.29,55.99 10.28,55.96 10.28,55.91 10.28,55.89 10.28,54.32 10.28,54.29 10.28,54.25 10.28,54.23 10.29,54.21 10.3,54.18 10.31,54.15 10.33,54.1 10.33,54.09 10.67,53.48 U7.5 ; J2.3 4.61,70.6 4.65,70.58 4.7,70.56 4.74,70.55 4.79,70.53 4.84,70.52 4.89,70.51 4.93,70.5 4.98,70.5 5.03,70.49 5.08,70.49 5.16,70.49 5.24,70.48 5.31,70.47 5.39,70.46 5.47,70.44 5.54,70.42 5.62,70.39 5.69,70.36 5.76,70.32 5.83,70.29 5.89,70.24 5.96,70.2 6.02,70.15 6.08,70.1 6.13,70.04 6.18,69.98 6.23,69.92 6.28,69.86 6.32,69.79 6.36,69.72 6.39,69.65 9.49,62.9 9.5,62.87 9.52,62.84 9.53,62.8 9.55,62.77 9.57,62.74 9.59,62.72 9.62,62.66 9.64,62.64 9.66,62.61 12.74,58.72 12.76,58.7 12.78,58.67 12.79,58.65 12.8,58.63 12.81,58.6 12.82,58.58 12.83,58.56 12.84,58.53 12.84,58.5 12.84,58.48 12.85,58.44 12.85,58.43 12.85,56.86 12.85,56.83 12.84,56.8 12.84,56.77 12.83,56.75 12.82,56.72 12.82,56.69 12.81,56.68 12.79,56.64 12.78,56.62 12.77,56.6 12.76,56.58
F_A11: length 29.5
  Top w0.2: 5.33,63.26 4.58,63 4.36,63.76 ; U5.6 U5.5 10.7,41.81 10.69,41.81 10.34,42.4 10.32,42.43 10.31,42.45 ; 8.74,48.73 8.74,48.69 9.06,46.22 9.06,46.19 9.07,46.15 9.08,46.12 9.08,46.09 9.09,46.05 9.1,46.01 9.11,45.97 9.13,45.93 9.13,45.91 10.3,42.48 10.31,42.45 ; J2.10 4.05,61.96 4.03,61.91 4.01,61.87 3.99,61.82 3.97,61.77 3.96,61.73 3.95,61.68 3.94,61.63 3.93,61.58 3.92,61.53 3.92,61.48 3.92,61.43 3.92,56.35 3.92,56.32 3.98,53.78 3.99,53.72 3.99,53.66 4,53.6 4.02,53.53 4.04,53.47 4.06,53.41 4.08,53.36 4.11,53.3 4.14,53.25 4.17,53.19 4.21,53.14 4.25,53.09 4.29,53.05 4.34,53 4.38,52.96 4.43,52.92 4.49,52.89 4.54,52.86 4.6,52.83 4.65,52.8 4.71,52.78 4.77,52.76 4.83,52.74 4.89,52.73 4.95,52.72 5.02,52.72 5.08,52.71 5.13,52.71 5.18,52.71 5.24,52.7 5.29,52.7 5.34,52.69 5.39,52.68 5.44,52.67 5.49,52.65 7.6,52.03 7.65,52.01 7.71,51.99 7.76,51.97 7.81,51.94 7.86,51.91 7.9,51.88 7.95,51.85 7.99,51.81 8.03,51.77 8.07,51.73 8.11,51.69 8.14,51.64 8.18,51.59 8.2,51.54 8.23,51.49 8.25,51.44 8.27,51.39 8.29,51.33 8.31,51.28 8.32,51.22 8.74,48.73
